# Altium PCB TinyHawk_PCB.PcbDoc (part 3 of 6) (continued)
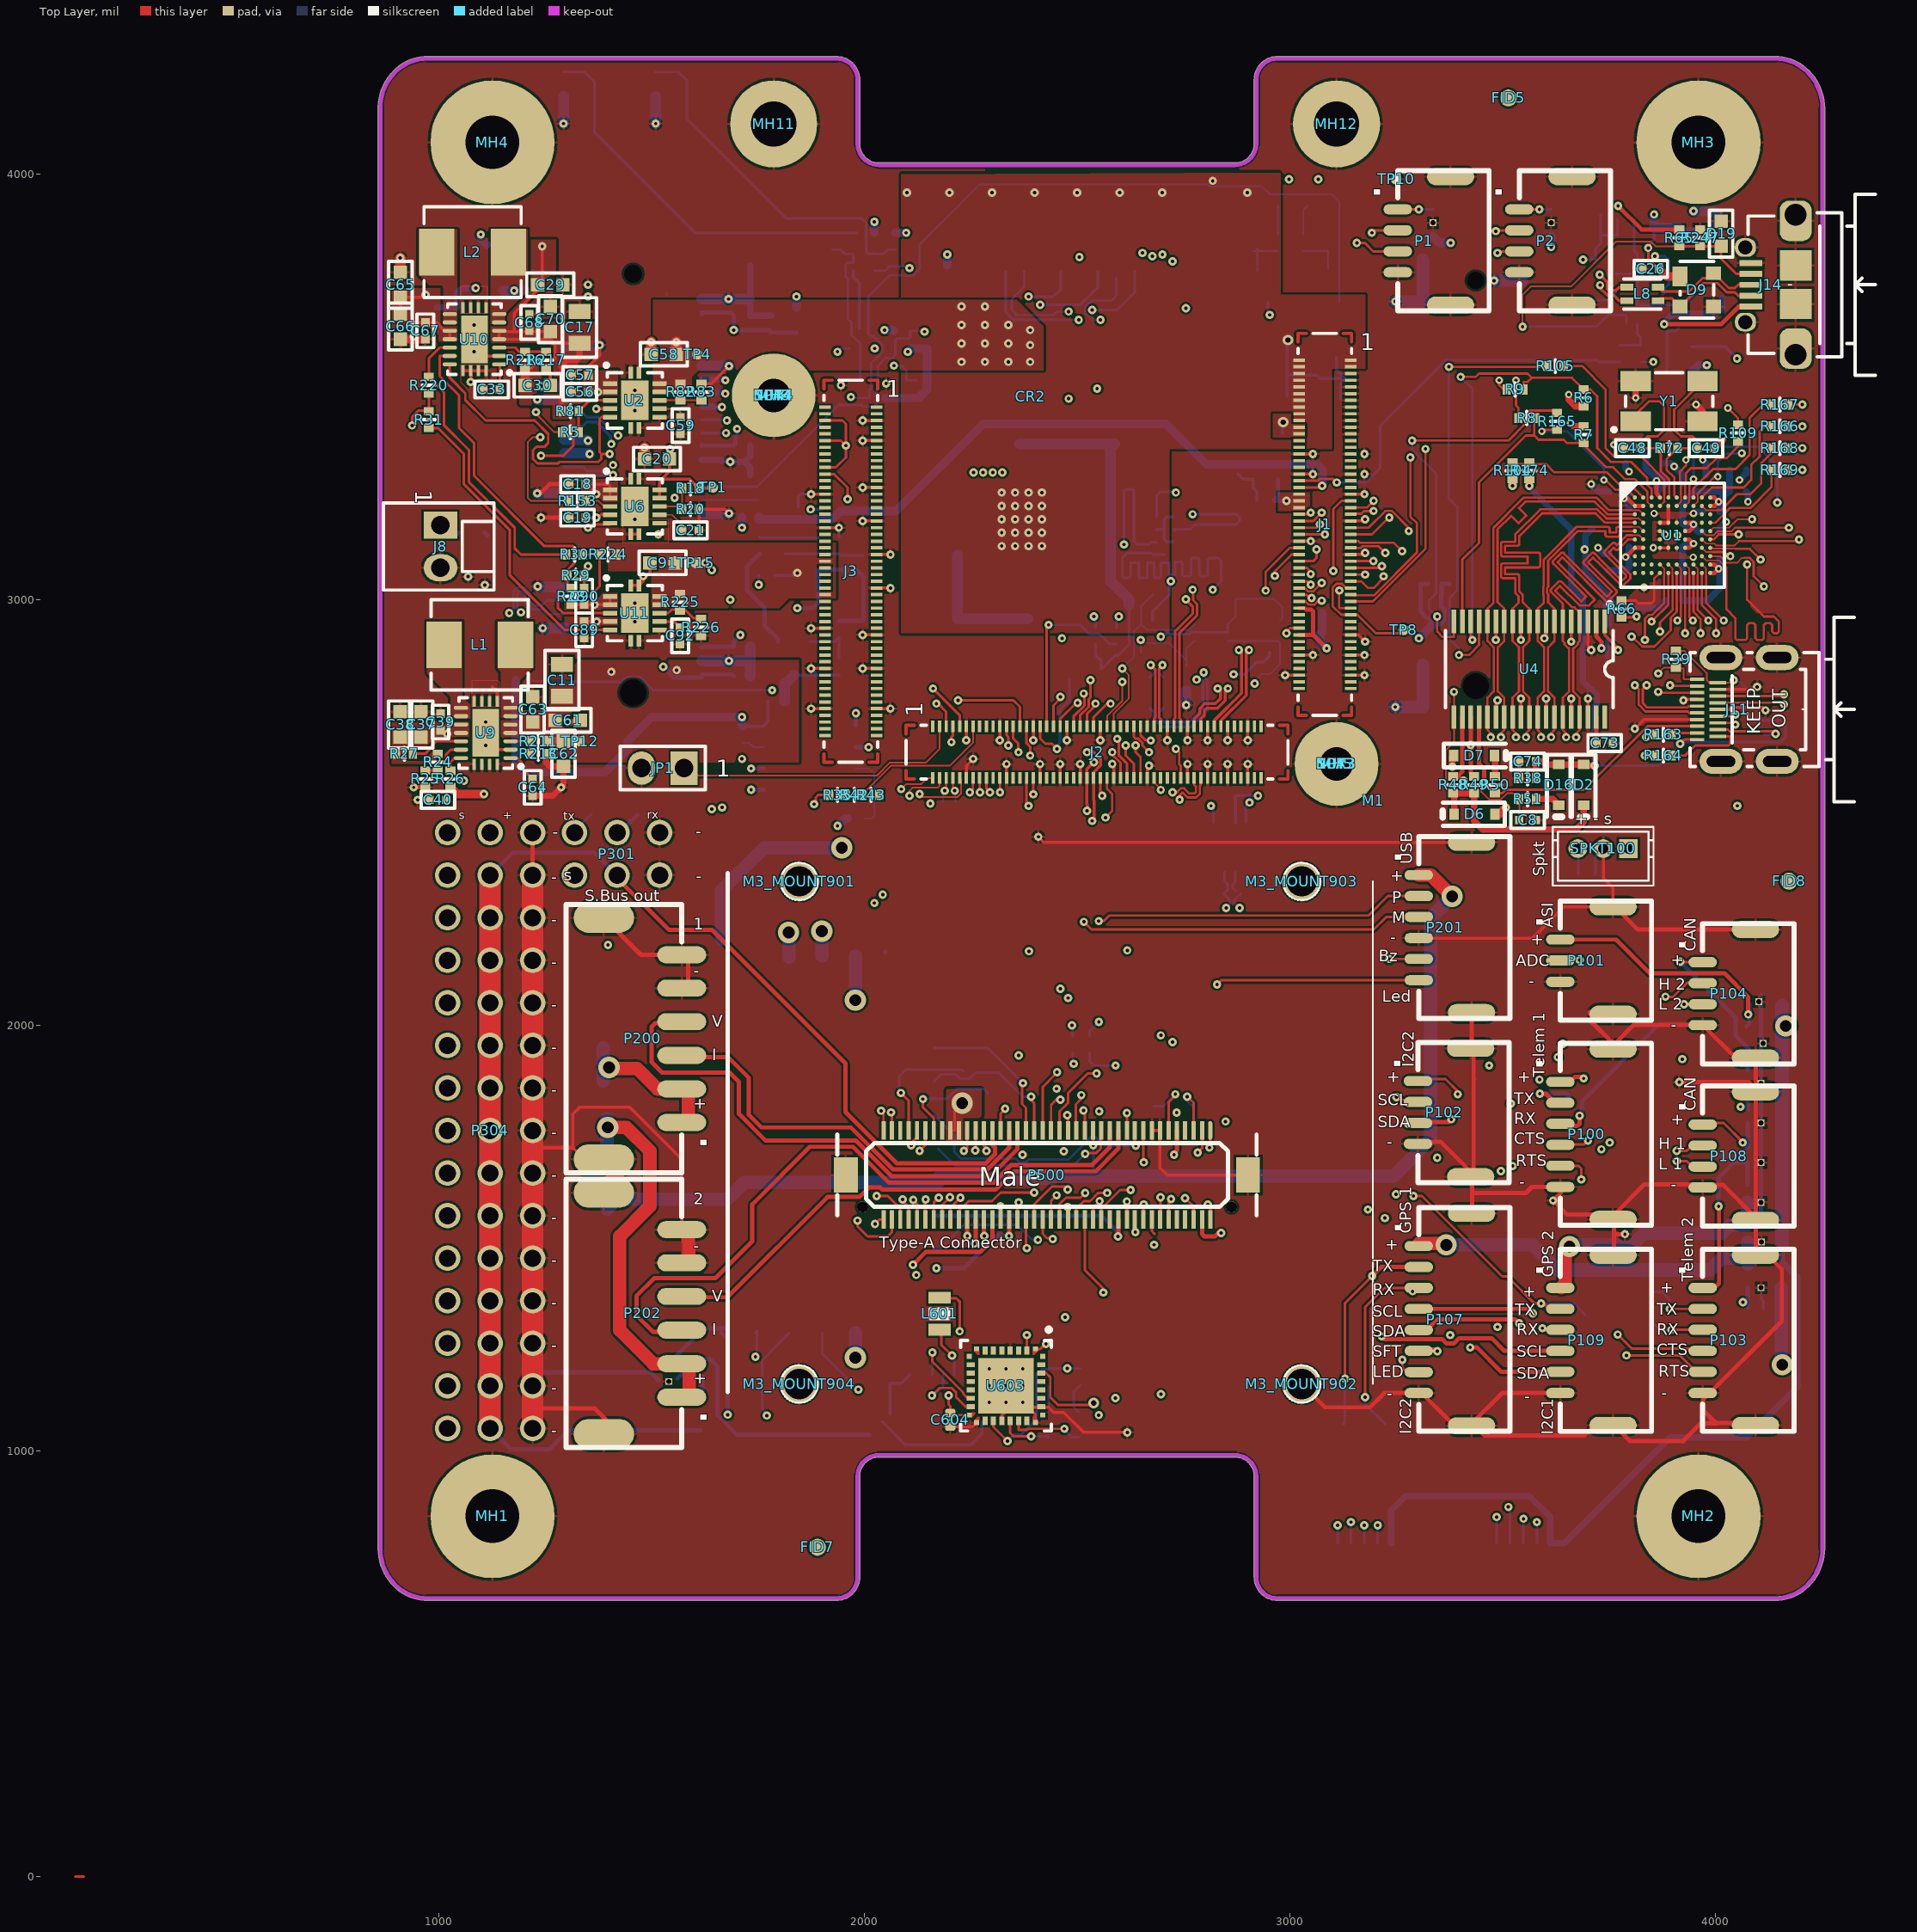
[diagram p0: Top Layer view]
## Nets (pads, with @x,y where several pads share a name; then routed paths per layer and width w, separated by ;. In a path a pad name is that pad's centre, name@x,y a point inside that pad or via, vN(x,y) a via of type N, cw(c..) or ccw(c..) an arc to the next point about the centre after c; other vN are vias at no path point) (continued)
  Signal Layer 2 w5.4: v1(3555.15,2677.17) 3548.01,2684.31 3548.01,2736.22 3578.74,2766.95 3578.74,2783.46 3590.55,2795.28 3675.68,2795.28 3687.7,2783.26 3707.23,2783.26 3716.95,2773.54 3812.97,2773.54 v1(3838.65,2799.21)
HDMI_IN_D1_N: J11.8 U1.E2 U4.9 U4.30 | length 1612.2
  Top Layer w3.94: 3805.12,3171.26 3820.87,3171.26 U1.E2@3830.71,3161.42
  Top Layer w5.4: v1(3590.52,2677.17) 3590.52,2686.31 3582.68,2694.15 U4.30@3582.68,2724.41 3582.68,2770.01 3597.66,2785 3597.66,2888.23 3591.99,2893.9 3582.88,2903.01 3582.68,2903.22 U4.9@3582.68,2948.82 3582.68,2979.08 3596.9,2993.3 3596.9,3010.3 3595.7,3011.51 3595.7,3031.8 3596.9,3033 3596.9,3066.93 3596.9,3094.45 3673.71,3171.26 3746.76,3171.26 cw(c3746.76,3166.34) 3751.68,3166.34 3751.68,3158.12 3767.24,3158.12 3767.24,3166.34 cw(c3772.16,3166.34) 3772.16,3171.26 3805.12,3171.26 ; J11.8@4005.91,2757.87 4157.45,2757.87 v1(4161.42,2753.91)
  Signal Layer 2 w5.4: v1(3590.52,2677.17) 3597.66,2670.02 3597.66,2657.52 3609.52,2645.67 3678.23,2645.67 3741.93,2709.37 3742.35,2709.37 3769.2,2736.22 3937.01,2736.22 3961.84,2761.05 3987.68,2761.05 ccw(c3987.68,2765.75) 3992.38,2765.75 3992.38,2797.38 4008.38,2797.38 4008.38,2758.35 ccw(c4013.08,2758.35) 4013.08,2753.65 4038.48,2753.65 ccw(c4038.48,2758.35) 4043.18,2758.35 4043.18,2761.05 4154.27,2761.05 v1(4161.42,2753.91)
HDMI_IN_D1_P: J11.6 U1.E1 U4.7 U4.32 | length 1576.2
  Top Layer w5.4: v1(3614.2,2677.17) 3614.2,2686.31 3622.05,2694.15 U4.32@3622.05,2724.41 3622.05,2770.01 3607.06,2785 3607.06,2888.23 3622.05,2903.22 U4.7@3622.05,2948.82 3622.05,2979.08 3607.48,2993.64 3607.48,3013.01 3605.1,3015.4 3605.1,3027.91 3607.48,3030.29 3607.48,3091.74 3677.17,3161.42 3741.84,3161.42 3741.84,3153.2 ccw(c3746.76,3153.2) 3746.76,3148.28 3772.16,3148.28 ccw(c3772.16,3153.2) 3777.08,3153.2 3777.08,3161.42 U1.E1@3811.02,3161.42 ; J11.6@4005.91,2773.62 4157.45,2773.62 v1(4161.42,2777.59)
  Signal Layer 2 w5.4: v1(3614.2,2677.17) 3607.06,2670.02 3607.06,2661.42 3613.41,2655.07 3674.75,2655.07 3765.31,2745.62 3933.11,2745.62 3959.15,2771.65 3981.96,2771.65 3981.96,2812.67 3985.9,2816.61 4014.1,2816.61 4017.78,2812.93 4017.78,2763.05 4033.78,2763.05 4033.78,2765.75 cw(c4038.48,2765.75) 4038.48,2770.45 4047.24,2770.45 4094.49,2770.45 4154.27,2770.45 v1(4161.42,2777.59)
HDMI_IN_D2_N: J11.5 U1.F2 U4.6 U4.33 | length 1610.5
  Top Layer w3.94: 3805.12,3151.57 3820.87,3151.57 U1.F2@3830.71,3141.73
  Top Layer w5.4: 3619.25,3084.97 3672.24,3031.99 3696.6,3007.63 3685.04,2996.06 3637.86,3043.24 3632.31,3043.24 3613.5,3024.43 3613.5,3018.88 3641.73,2990.64 U4.6@3641.73,2948.82 3641.73,2903.22 3645.87,2899.08 3645.87,2895.13 3654.97,2886.03 3656.72,2886.03 3656.72,2785 3641.73,2770.01 U4.33@3641.73,2724.41 3641.73,2694.15 3649.57,2686.31 v1(3649.57,2677.17) ; 3619.25,3084.98 cw(c3622.57,3088.3) 3619.25,3091.62 ; 3619.25,3091.63 3637.21,3109.58 cw(c3640.53,3106.26) 3643.85,3109.59 3745.97,3007.48 3757.28,3018.79 3691.57,3084.5 cw(c3694.89,3087.83) 3691.56,3091.15 3709.52,3109.11 ; 3709.53,3109.12 cw(c3712.85,3105.79) 3716.17,3109.12 3736.09,3089.2 3779.53,3045.76 3782.06,3045.76 3791,3054.7 3791,3056.91 3747.41,3100.5 3740.11,3107.8 cw(c3743.43,3111.13) 3740.1,3114.45 3758.06,3132.41 cw(c3761.39,3129.09) 3764.71,3132.42 3768.69,3128.44 3791.82,3151.57 3805.12,3151.57 ; v1(3866.14,2783.46) 3868.11,2781.5 J11.5@3957.68,2781.5
  Signal Layer 2 w5.4: v1(3649.57,2677.17) 3656.72,2684.31 3656.72,2708.62 3674.03,2725.94 3686.57,2725.94 3725.77,2765.14 3862.8,2765.14 3866.14,2768.48 v1(3866.14,2783.46)
HDMI_IN_D2_P: J11.3 U1.F1 U4.4 U4.35 | length 1605.3
  Top Layer w5.4: v1(3673.26,2677.17) 3673.26,2686.31 3681.1,2694.15 U4.35@3681.1,2724.41 3681.1,2770.01 3666.12,2785 3666.12,2886.03 3667.85,2886.03 3676.95,2895.13 3676.95,2899.07 3681.1,2903.22 U4.4@3681.1,2948.82 3681.1,2970.27 3669.29,2982.08 3663.59,2982.08 3624.02,3021.65 3635.09,3032.72 3681.15,2986.66 3703.2,2986.66 3717.03,3000.49 3677.17,3040.36 3629.22,3088.3 3640.53,3099.61 3742.64,2997.51 ccw(c3745.97,3000.83) 3749.29,2997.5 3767.25,3015.46 ccw(c3763.93,3018.79) 3768.63,3018.79 ccw(c3763.93,3018.79) 3767.25,3022.11 3701.53,3087.83 3712.85,3099.14 3729.44,3082.55 3777.97,3034.02 3784.43,3034.02 3800.4,3049.99 3800.4,3060.01 3754.05,3107.15 3750.08,3111.13 3761.39,3122.44 3765.36,3118.47 ccw(c3768.69,3121.79) 3772.01,3118.46 3795.28,3141.73 U1.F1@3811.02,3141.73 ; v1(3893.76,2799.21) 3895.73,2797.24 J11.3@3957.68,2797.24
  Signal Layer 2 w5.4: v1(3673.26,2677.17) 3666.12,2684.31 3666.12,2704.72 3677.93,2716.54 3690.46,2716.54 3729.66,2755.74 3881.72,2755.74 3884.65,2758.67 3884.65,2790.1 v1(3893.76,2799.21)
HDMI_IN_ESD_BYP: C73.1 U4.37 | length 61
  Top Layer w10: C73.1@3720.47,2663.39 U4.37@3720.47,2724.41
HDMI_IN_HPD: R13.1 R165.1 U4.19 | length 956.2
  Top Layer w5.4: v1(3287.4,3374.02) 3513.97,3374.02 3552.94,3412.99 3552.94,3433.05 3564.57,3444.68 3627.95,3444.68 R165.1@3627.95,3438.98 ; v1(3346.46,2960.63) 3346.46,2925.2 3359.26,2912.39 3385.83,2912.39 U4.19@3385.83,2948.82
  Bottom Layer w5.4: v1(3287.4,3374.02) 3287.4,3352.69 3344.28,3295.81 3344.28,3015.54 R13.1@3326.77,2998.03 3326.77,2980.32 v1(3346.46,2960.63)
HDMI_IN_HPD_CON: C8.1 J11.1 R39.2 R51.1 U4.20 | length 1131
  Top Layer w4: v1(3385.83,2783.46) U4.20@3385.83,2724.41 3385.83,2666.19 3367.05,2647.41 3367.05,2572.73 3379.66,2560.12 3446.95,2560.12 3449.88,2557.19 3449.88,2548.95 3468.4,2530.43 3496.17,2530.43 3511.04,2545.31 3525.56,2545.31 R51.1@3539.37,2531.5 C8.1@3539.37,2482.28 ; v1(3866.14,2826.77) 3879.92,2840.55 R39.2@3907.48,2840.55 3909.45,2838.58 3925.2,2838.58 3925.2,2814.96 3927.17,2812.99 J11.1@3957.68,2812.99
  Signal Layer 2 w4: v1(3385.83,2783.46) 3400.56,2783.46 3422.29,2761.73 3451.71,2761.73 3509.16,2819.18 3712.62,2819.18 3734.35,2797.44 3788.26,2797.44 3804.88,2814.06 3853.43,2814.06 v1(3866.14,2826.77)
HDMI_IN_RXA_5V: R104.2 R174.2 U1.A2 | length 341.3
  Top Layer w5.4: R104.2@3523.62,3322.83 3527.56,3318.9 3602.36,3318.9 3621.85,3299.41 3730.57,3299.41 3745.61,3299.41 3773.96,3271.06 3799.8,3271.06 U1.A2@3830.71,3240.16
HDMI_IN_SCL_CON: J11.17 R163.1 | length 61.7
  Top Layer w6: R163.1@3897.64,2683.07 3901.57,2687.01 J11.17@3957.68,2687.01
HDMI_IN_SCL_CON_R: R49.1 R163.2 U4.22 | length 642.6
  Top Layer w10: U4.22@3425.2,2724.41 v1(3425.2,2658.46) 3425.2,2592.52 R49.1@3433.07,2584.65 ; v1(3837.46,2677.26) 3837.55,2677.17 3838.58,2677.17 3844.49,2683.07 R163.2@3858.27,2683.07
  Signal Layer 2 w10: v1(3425.2,2658.46) 3443.79,2658.46 3511.71,2590.55 3671.62,2590.55 3756.14,2675.07 3835.27,2675.07 v1(3837.46,2677.26)
HDMI_IN_SDA_CON: J11.18 R164.1 | length 195.3
  Top Layer w6: R164.1@3897.64,2633.86 3929.13,2633.86 3952.76,2657.48 4031.5,2657.48 4035.43,2661.42 4035.43,2677.17 4033.46,2679.13 J11.18@4005.91,2679.13
HDMI_IN_SDA_CON_R: R48.1 R164.2 U4.21 | length 660.7
  Top Layer w10: R48.1@3383.86,2584.65 R48.1@3393.98,2584.65 ; U4.21@3405.51,2724.41 3405.51,2596.17 R48.1@3393.98,2584.65 ; v1(3408.42,2574.96) 3408.26,2574.8 3405.51,2574.8 3395.67,2584.65 R48.1@3393.98,2584.65 ; v1(3834.65,2633.86) R164.2@3858.27,2633.86
  Signal Layer 2 w10: v1(3408.42,2574.96) 3424.32,2559.06 3759.84,2559.06 v1(3834.65,2633.86)
HDMI_IN_XTALN: C48.1 R72.1 U1.A5 Y1.1 | length 408.1
  Top Layer w5.4: Y1.1@3812.99,3419.29 3812.99,3435.04 3844.49,3466.54 3868.11,3466.54 3879.92,3454.72 3879.92,3399.61 3864.17,3383.86 3840.55,3383.86 3824.8,3368.11 C48.1@3824.8,3356.3 R72.1@3872.05,3356.3 3872.05,3302.14 3891.73,3282.45 3891.73,3242.13 U1.A5@3889.76,3240.16
HDMI_IN_XTALP: C49.1 R72.2 U1.A6 Y1.3 | length 408.1
  Top Layer w5.4: U1.A6@3909.45,3240.16 3903.94,3245.67 3903.94,3287.27 3885.63,3305.57 3885.63,3330.51 R72.2@3911.42,3356.3 C49.1@3958.66,3356.3 3958.66,3372.05 3946.85,3383.86 3919.29,3383.86 3903.54,3399.61 3903.54,3446.85 Y1.3@3970.47,3513.78
I2C1_SCL: J2.26
I2C1_SDA: J2.28
I2C2_DDC_SCL: R6.1 R9.2 U1.A3 U4.17 | length 1379.8
  Top Layer w5.4: v1(3401.57,3523.62) 3437.01,3523.62 3444.88,3531.5 3559.06,3531.5 3568.9,3521.65 ; U4.17@3425.2,2948.82 3425.2,2909.45 v1(3429.13,2905.51) ; R9.2@3549.21,3494.09 3549.21,3509.84 3551.18,3511.81 3559.06,3511.81 3568.9,3521.65 ; U1.A3@3850.39,3240.16 3850.39,3259.65 3840.55,3269.49 3840.55,3285.43 3802.17,3323.82 3754.92,3323.82 3722.44,3356.3 3722.44,3478.35 3706.69,3494.09 R6.1@3690.94,3494.09 3663.39,3521.65 3568.9,3521.65
  Bottom Layer w5.4: v1(3401.57,3523.62) 3429.13,3496.06 v1(3429.13,2905.51)
I2C2_DDC_SDA: R7.1 R8.2 U1.B3 U4.18 | length 918
  Top Layer w3.94: 3840.55,3246.06 3840.55,3230.31 U1.B3@3850.39,3220.47
  Top Layer w5.4: U4.18@3405.51,2948.82 3405.51,3094.49 3444.88,3133.86 3444.88,3275.59 3555.32,3386.02 3574.61,3386.02 ; R8.2@3574.61,3425 3574.61,3386.02 ; 3840.55,3246.06 3840.55,3253.94 3811.22,3283.27 3788.51,3283.27 3760.17,3311.61 3743.5,3311.61 3690.94,3364.17 R7.1@3690.94,3368.11 3651.57,3368.11 3643.7,3375.98 3584.65,3375.98 3574.61,3386.02
I2C2_SCL: J2.48 J13.30 R9.1 | length 3845.1
  Top Layer w5.4: v2(3492.13,3515.75) 3492.13,3503.94 3505.91,3490.16 R9.1@3509.84,3494.09
  Top Layer w7: v1(2523.62,2503.94) 2523.62,2519.68 2523.23,2520.08 J2.48@2523.23,2581.1 2523.23,2601.97 v1(2539.37,2618.11)
  Signal Layer 2 w6: v1(2547.24,3496.06) 2552.41,3501.23 3350.41,3501.23 3388.64,3539.46 3436.91,3539.46 3460.63,3515.75 v2(3492.13,3515.75)
  Signal Layer 2 w7: v1(1665.72,2511.81) 1674.19,2503.34 2134.46,2503.34 2145.67,2492.13 2488.19,2492.13 2496.06,2500 2523.62,2500 v1(2523.62,2503.94)
  Signal Layer 1 w6: v1(2539.37,2618.11) 2539.46,2618.2 2539.46,2648.29 2538.88,2648.87 2538.88,2723.92 2559.14,2744.18 2559.14,2892.76 2555.21,2896.7 2555.21,2972.24 2555.12,2972.33 2555.12,3488.19 v1(2547.24,3496.06)
  Signal Layer 1 w7: v1(1665.72,2511.81) 1665.54,2511.99 1665.54,3049.54 1675.95,3059.95 1675.95,3185.57 1665.54,3195.98 1665.54,3382.08 v1(1675.19,3391.73)
  Bottom Layer w7: J13.30@1618.11,3391.73 v1(1675.19,3391.73)
I2C2_SDA: J2.50 J13.32 R8.1 | length 4113.8
  Top Layer w5.4: v2(3531.49,3515.74) 3531.49,3456.69 3537.4,3450.78 R8.1@3537.4,3427.17 R8.1@3541.34,3427.17
  Top Layer w7: v1(2523.62,2641.73) 2538.86,2641.73 2555.71,2624.88 2555.71,2611.34 2538.98,2594.6 J2.50@2538.98,2581.1 2538.98,2528.55 2539.96,2527.56 2539.96,2484.85 v1(2535.43,2480.32)
  Signal Layer 2 w6: v1(2480.32,3472.44) 2484.35,3476.47 2925.34,3476.47 2934.29,3485.43 3396.32,3485.43 3408.13,3497.24 3512.99,3497.24 v2(3531.49,3515.74)
  Signal Layer 2 w7: v1(1641.73,2507.87) 1663.06,2486.54 2127.5,2486.54 2138.71,2475.33 2530.44,2475.33 v1(2535.43,2480.32)
  Signal Layer 1 w6: v1(2480.32,3472.44) 2484.25,3468.5 2484.25,2785.9 2485.37,2784.78 2485.37,2758.75 2482.53,2755.91
  Signal Layer 1 w7: v1(1641.73,2507.87) 1642.33,2508.47 1642.33,3040.47 1665.95,3064.09 1665.95,3077.63 1655.54,3088.04 1655.54,3399.63 v1(1677.17,3421.26) ; 2482.53,2755.91 2482.53,2749.14 2523.62,2708.05 v1(2523.62,2641.73)
  Bottom Layer w7: J13.32@1618.11,3423.23 1675.2,3423.23 v1(1677.17,3421.26)
I2C3_SCL: J2.54 U1.B8 | length 2714.9
  Top Layer w3.94: U1.B8@3948.82,3220.47 3958.66,3230.31 3958.66,3246.06
  Top Layer w5.4: v1(2566.93,2488.19) 2582.68,2503.94 2582.68,2542.91 2570.47,2555.12 J2.54@2570.47,2581.1 ; 3958.66,3246.06 3958.66,3250 3998.03,3289.37 v2(4005.91,3289.37)
  Signal Layer 2 w5.4: v1(2566.93,2488.19) 2589.43,2488.19 2614.7,2462.92 3999.12,2462.92 v1(4051.95,2515.75)
  Signal Layer 1 w5.4: v1(4051.95,2515.75) 4069.28,2533.08 4069.28,2864.56 4130.13,2925.4 4130.13,3234.78 4137.8,3242.45 4137.8,3268.7 v1(4062.34,3344.16)
  Bottom Layer w5.4: v2(4005.91,3289.37) 4005.91,3323.82 4025.59,3343.5 4062.99,3343.5 v1(4062.34,3344.16)
I2C3_SDA: J2.52 U1.B7 | length 2890.4
  Top Layer w3.94: U1.B7@3929.13,3220.47 3938.98,3230.31 3938.98,3246.06
  Top Layer w5.4: J2.52@2554.72,2581.1 2554.72,2543.69 v1(2559.05,2539.36) ; 3938.98,3246.06 3938.98,3269.69 3948.81,3279.52 v2(3948.81,3283.46)
  Signal Layer 2 w5.4: v1(2559.05,2539.36) 2615.06,2539.36 2644.7,2509.72 2745.02,2509.72 2791.34,2556.04 3057.39,2556.04 3077.45,2535.97 4181.64,2535.97 4220.47,2574.8 4220.47,3173.23 4165.35,3228.35 v1(4145.67,3228.35)
  Bottom Layer w5.4: v2(3948.81,3283.46) 3948.81,3334.65 3973.86,3359.7 4098.96,3359.7 4145.67,3312.99 v1(4145.67,3228.35)
I2C_1_SCL: P107.4 P500.37 | length 2062.2
  Top Layer w5.91: P500.37@2459,1753 2459,1797.83 2478.8,1817.63 2478.8,1841 2524.8,1887 v1(2546,1887)
  Top Layer w10: P107.4@3303.15,1333.66 3560.34,1333.66 v1(3571,1323)
  Signal Layer 2 w5.91: v1(2546,1887) 3407.82,1887 3408.66,1886.15 3423.37,1886.15 3428.17,1890.95 3443.97,1890.95 3447.92,1887 3557.68,1887 ; 3557.93,1887.25 3572.79,1887.25 3586.79,1873.25 v1(3586.79,1872.25)
  Signal Layer 1 w5.91: v1@3569.99,1323 3569.99,1855.46 v1(3586.79,1872.25)
I2C_1_SDA: P107.5 P500.35 | length 1917.6
  Top Layer w5.91: v1(2477,1789) 2479,1791 P500.35@2479,1753
  Top Layer w10: P107.5@3303.15,1284.06 3322.06,1284.06 3347.18,1309.18 3529.82,1309.18 v1(3539,1300)
  Signal Layer 2 w5.91: v1(2477,1789) 2505.8,1817.8 2557.37,1817.8 2562.17,1813 2605,1813 2647.29,1855.29 3313.38,1855.29 3355.68,1813 v1@3519.68,1813
  Signal Layer 1 w5.91: v1@3523.68,1816 3552.28,1787.4 3552.79,1787.4 3552.79,1312 3551,1312 v1(3539,1300)
  other v1: 3519.68,1816
I2C_2_SCL: P102.2 P109.4 P500.6 | length 1897.9
  Top Layer w5.91: v1@2753,1595 v1(2754,1594) 2774,1574 P500.6@2774,1543.67 ; v1(3250.68,1831) 3250.68,1826 3252.07,1824.61 P102.2@3308.11,1824.61
  Top Layer w10: v1(3216,1269) 3222.94,1262.06 3358.88,1262.06 3368.78,1252.16 3385.22,1252.16 3397.9,1264.84 3474.22,1264.84 3504.22,1234.84 P109.4@3635.83,1234.84
  Signal Layer 2 w5.91: v1(2734,1795) 2786,1795 2822,1831 v1(3250.68,1831)
  Signal Layer 1 w5.91: v1(2734,1795) 2734,1796 2754,1776 v1(2754,1594) ; v1(3216,1269) 3219.98,1272.98 3219.98,1518.13 3241.47,1539.63 3241.47,1555.2 3228.58,1568.09 3228.58,1592.33 3228.68,1592.42 3228.68,1664 3251.68,1687 v1@3251.68,1831
I2C_2_SDA: P102.3 P109.5 P500.4 | length 1749.7
  Top Layer w10: P500.4@2794,1543.67 2794,1509.15 2799.21,1503.94 2823.94,1503.94 2831.81,1511.81 v1(2838.58,1511.81) ; P102.3@3308.11,1775 3310.11,1773 3374.68,1773 3374.68,1774 v1(3379.68,1779) ; v1(3424,1243) 3439.94,1243 3497.1,1185.84 P109.5@3635.83,1185.84
  Signal Layer 2 w10: v1(2849,1774) 2849,1775 2853,1779 v1(3379.68,1779)
  Signal Layer 1 w5.91: v1(3379.68,1779) 3379.68,1518.6 3400.63,1497.65 3400.63,1293.05 3424,1269.68 v1(3424,1243)
  Signal Layer 1 w10: v1(2838.58,1511.81) 2840.84,1514.07 2840.84,1765.84 v1(2849,1774)
I\O\-\L\E\D\_\S\A\F\E\T\_\P\R\O\T\: P107.7 P500.28 | length 1215.3
  Top Layer w5.91: P500.28@2557,1543.67 2557,1568.66 2601.34,1613 v1(2626,1613) ; v1@3264.47,1206.2 3264.47,1196.2 3272.68,1188 3275.68,1191 P107.7@3304.16,1191
  Signal Layer 2 w5.91: v1(2626,1613) 2625,1613 2624,1614 2798.41,1614 2802.11,1617.7 3234.98,1617.7 v1(3249.68,1603)
  Signal Layer 1 w5.91: v1(3249.68,1603) 3252.38,1600.3 3252.38,1520.51 3230.88,1499.01 3230.88,1387.2 3231.26,1386.83 3231.26,1278.91 3264.47,1245.69 v1(3264.47,1214)
IO-!RESET: P500.75
IO-CH1-PROT: P304.7 P500.80 | length 1128.8
  Top Layer w5.91: v1(2025,1533) 2035.67,1543.67 P500.80@2045.14,1543.67
  Signal Layer 2 w10: P304.7@1019.63,1652 1067.63,1700 1242.87,1700 1376.87,1566 1930.94,1566 1975.78,1521.16 2013.16,1521.16 v1(2025,1533)
IO-CH2-PROT: P304.8 P500.78 | length 1279.6
  Top Layer w5.91: v1@1980,1541 v1(1984,1541) 1984,1527.81 2007.87,1503.94 2055.12,1503.94 2064.83,1513.65 P500.78@2064.83,1543.67
  Signal Layer 2 w10: P304.8@1019.63,1752 1067.63,1800 1242.87,1800 1261,1781.87 1261,1703.08 1383.08,1581 1944,1581 v1(1984,1541)
IO-CH3-PROT: P304.9 P500.76 | length 1337.6
  Top Layer w5.91: v1(2029,1599) 2055,1599 2084.51,1569.49 P500.76@2084.51,1543.67
  Signal Layer 2 w10: P304.9@1019.63,1852 1067.63,1900 1245.67,1900 1275,1870.67 1275,1789.08 1279.25,1784.83 1279.25,1712.6 1392.85,1599 v1(2029,1599)
IO-CH4-PROT: P304.10 P500.74 | length 1447.2
  Top Layer w5.91: v1@2089,1589 2104.2,1573.8 P500.74@2104.2,1543.67
  Signal Layer 2 w10: P304.10@1019.63,1952 1071.57,2003.94 1232.63,2003.94 1290,1946.56 1290,1832.28 1294.25,1828.03 1294.25,1722.44 1402.69,1614 2015.94,1614 2020.78,1618.84 2037.22,1618.84 2067.06,1589 v1@2089,1589
  other v1: 2090,1591
IO-CH5-PROT: P304.11 P500.72 | length 1567.3
  Top Layer w5.91: v1(2115,1590) 2124,1580.95 P500.72@2123.88,1543.67
  Signal Layer 2 w10: P304.11@1019.63,2052 1067.63,2100 1250,2100 1262,2088 1262,2004.93 1305,1961.93 1305,1838.49 1309.25,1834.24 1309.25,1729.82 1410.07,1629 2009.73,1629 2014.57,1633.84 2043.43,1633.84 2061.27,1616 2096.88,1616 2115,1597.88 v1(2115,1590)
IO-CH6-PROT: P304.12 P500.70 | length 1692.4
  Top Layer w5.91: v1@2142.2,1590 2142.2,1545.03 P500.70@2143.57,1543.67
  Signal Layer 2 w10: P304.12@1019.63,2152 1067.43,2199.8 1247.05,2199.8 1273.9,2172.95 1273.9,2097.32 1277,2094.21 1277,2011.15 1320,1968.15 1320,1844.71 1324.25,1840.46 1324.25,1736.03 1416.28,1644 2003.51,1644 2008.35,1648.84 2049.65,1648.84 2067.49,1631 2136,1631 2144,1623 v1(2144,1591)
IO-CH7-PROT: P304.13 P500.68 | length 1812.9
  Top Layer w5.91: P500.68@2163.25,1543.67 2163.25,1583.25 v1(2175,1595) v1@2175,1596.75
  Signal Layer 2 w10: P304.13@1019.63,2252 1067.63,2300 1246.26,2300 1275.59,2270.67 1275.59,2194.34 1288.9,2181.04 1288.9,2103.53 1292,2100.43 1292,2017.36 1335,1974.36 1335,1850.92 1339.25,1846.67 1339.25,1742.25 1422.5,1659 1997.3,1659 2002.14,1663.84 2055.86,1663.84 2073.7,1646 2143.57,1646 2175,1614.57 v1(2175,1595)
IO-CH8-PROT: P304.14 P500.66 | length 1926.4
  Top Layer w5.91: P500.66@2182.94,1543.67 2182.94,1577.94 v1(2201,1596)
  Signal Layer 2 w10: P304.14@1019.63,2352 1067.63,2400 1248.62,2400 1269,2379.62 1269,2315 1303.9,2280.1 1303.9,2109.74 1307,2106.64 1307,2023.57 1350,1980.57 1350,1857.13 1357.47,1849.66 1357.47,1745.24 1428.71,1674 1991.09,1674 1995.93,1678.84 2062.07,1678.84 2079.91,1661 2149.79,1661 2202,1608.79 v1@2202,1596
IO-SWCLK: P105.5 P500.71 | length 2516.8
  Top Layer w6: v1(2110.24,1718.16) 2110.24,1723.55 2123.88,1737.2 P500.71@2123.88,1753
  Signal Layer 2 w6: v1(2110.24,1718.16) 2110.24,1702 2123.36,1688.88 2169.39,1688.88 2228.35,1629.92 2551.18,1629.92 2551.28,1630.02 3319.46,1630.02 3319.54,1630.09 3351.58,1630.09 3370.63,1649.14 3487.72,1649.14 v1(3496.06,1657.48)
  Signal Layer 1 w6: v1(3112.2,824.8) 3112.2,879.92 3385.83,1153.54 3385.83,1182.42 3439.84,1236.44 3439.84,1601.26 v1(3496.06,1657.48)
  Bottom Layer w6: P105.5@3112.2,783.46 v1(3112.2,824.8)
IO-SWDIO: P105.4 P500.69 | length 2531.4
  Top Layer w6: v1(2129.92,1704.72) 2143.57,1718.37 P500.69@2143.57,1753
  Signal Layer 2 w6: v1(2129.92,1704.72) 2165.92,1704.72 2230.55,1640.09 3348.86,1640.09 3382.08,1673.32 3506.62,1673.32 ; 3506.62,1669.33 3506.66,1669.29 v1(3523.61,1669.29)
  Signal Layer 1 w6: v1(3143.7,832.68) 3143.7,887.8 3417.32,1161.42 3417.32,1189.36 3448.84,1220.88 3448.84,1586.64 3523.61,1661.41 v1(3523.61,1669.29)
  Bottom Layer w6: P105.4@3143.7,783.46 v1(3143.7,832.68)
IO-USART1_RX_SPECTRUM_DSM: JP100.1 P105.3 P500.48 SPKT100.1 | length 3879.5
  Top Layer w5.91: P500.48@2360.1,1543.67 2360.1,1581.1 v1(2363,1584)
  Signal Layer 2 w10: v1(2363,1929) 3390.92,1929 3416.02,1903.91 3420.82,1908.71 3451.32,1908.71 3455.28,1904.75 3550.32,1904.75 3550.58,1905 3580.14,1905 3581.24,1903.91 3814.69,1903.91 ; 3814.69,1904.16 3831.79,1921.25 v1@3922.46,1921.25
  Signal Layer 1 w5.91: v1(2363,1584) 2363,1586.13 2377.8,1600.93 2377.8,1661.21 2400.7,1684.11 2400.7,1707.89 2360.2,1748.38 2360.2,1851.63 2355.2,1856.63 2355.2,1871.37 2366,1882.17 v1@2366,1932 ; v1(3175.2,824.8) 3175.2,879.92 3448.82,1153.54 3448.82,1208.19 3457.8,1217.17 3457.8,1581.13 3539.41,1662.75 3539.41,1679.78 3468.5,1750.68 v1(3468.5,1905.51)
  Signal Layer 1 w10: SPKT100.1@3795.84,2415.25 3813.79,2415.25 3860.79,2368.25 3860.79,1965.25 3905.59,1920.45 v1(3922.46,1920.45)
  Bottom Layer w5.91: P105.3@3175.2,783.46 v1(3175.2,824.8)
IO-USART1_TX: P105.2 P500.46 | length 1878.6
  Top Layer w5.91: P500.46@2380.8,1544.68 P500.46@2379.79,1543.67 2379.79,1478.48 v1(2381.89,1476.38)
  Signal Layer 2 w5.91: v1(2381.89,1476.38) 2437.01,1421.26 3108.29,1421.26 3238.21,1291.34 v1(3488.19,1291.34)
  Signal Layer 1 w5.91: v1(3206.69,824.8) 3204.72,826.77 3204.72,874.02 3480.32,1149.61 3480.32,1271.65 3488.19,1279.53 v1(3488.19,1291.34)
  Bottom Layer w5.91: P105.2@3206.69,783.46 v1(3206.69,824.8)
L1_3V3: L2.1 U10.8 U10.9 | length 35.5
  Top Layer w6: L2.1@1000.49,3818.9 L2.1@1025.59,3793.8
L1_5V: L1.1 U9.8 U9.9
L2_3V3: L2.2 U10.6 U10.7 | length 11.1
  Top Layer w6: L2.2@1163.39,3816.93 1163.39,3813.48 L2.2@1168.8,3818.9
L2_5V: L1.2 U9.6 U9.7 | length 17
  Top Layer w6: L1.2@1168.31,2882.04 L1.2@1180.3,2894.02
MPCIE_WDISN_R: J13.20 R10.1 R22.1 | length 133.9
  Bottom Layer w4: J13.20@1618.11,3234.25 R22.1@1751.97,3234.25
NetC198_1: C198.1 R141.1 U21.2 | length 380.2
  Bottom Layer w5.4: R141.1@1925.2,3822.83 1944.88,3822.83 1954.72,3812.99 C198.1@1974.41,3812.99 1974.41,3792.07 1961,3792.07 1955.96,3787.03 1955.96,3760.22 1961,3755.17 1961,3659.94 1969.74,3651.2 1969.74,3622.62 1990.16,3602.2 U21.2@1990.16,3515.75
NetC200_1: C200.1 J2.10 R149.1 | length 1475.9
  Top Layer w4: v1(2129.92,2543.3) 2136.88,2536.34 2218.75,2536.34 2227.44,2545.03 2227.44,2577.68 J2.10@2224.02,2581.1
  Signal Layer 1 w4: v1(2106.3,3779.53) 2109.33,3776.5 2109.33,3600.81 2129.92,3580.22 v1(2129.92,2543.3)
  Bottom Layer w5.4: R149.1@2023.62,3773.62 2049.21,3773.62 2059.06,3783.46 C200.1@2072.83,3783.46 2102.36,3783.46 v1(2106.3,3779.53)
NetC604_P$1: C604.P$1 U603.1 U603.16 | length 404.9
  Top Layer w5.91: v1(2198,1130) 2198,1109.09 2202,1105.09 C604.P$1@2202,1088.75 2206.65,1084.1 U603.16@2246.39,1084.1 ; U603.1@2401.9,1233.71 U603.1@2401.9,1239.61 2413.61,1239.61 2426,1252 v1(2427,1251)
  Signal Layer 2 w5.91: v1(2198,1130) 2319,1251 v1(2427,1251)
NetD7_1: D7.1 R50.1 | length 49.7
  Top Layer w15: D7.1@3481.07,2633.86 3482.28,2632.65 R50.1@3482.28,2584.65
NetD16_1: D16.1 R51.2 | length 61.9
  Top Layer w15: R51.2@3578.74,2531.5 3618.11,2531.5 3627.95,2521.65 D16.1@3627.95,2513.02
NetD101_C: D101.C L101.P$2 P100.1 | length 767.2
  Top Layer w10: P100.1@3657.48,1866.14 3669.62,1878.28 3686.76,1878.28 3689.79,1875.25 v1(3690.79,1875.25)
  Signal Layer 1 w10: v1(3690.79,1875.25) 3710.63,1855.41 3710.63,1819.26 4064.78,1465.11 v1(4064.78,1349.58)
  Bottom Layer w10: D101.C@4075.78,1336.27 L101.P$2@4075.78,1383.27
NetD104_C: D104.C L103.P$2 P102.1 | length 854
  Top Layer w6: P102.1@3308.11,1873.82 3365.86,1873.82 3394.68,1845 v1(3394.68,1838)
  Signal Layer 2 w10: v1(3394.68,1838) 3545.62,1838 ; 3545.87,1838.25 3560.73,1838.25 3582.73,1816.25 4033.79,1816.25 ; 4023.62,1814.96 4051.95,1814.96 v1@4058.96,1807.95
  Bottom Layer w10: v1(4059.46,1808.45) D104.C@4074.78,1808.45 ; D104.C@4075.78,1801.45 4075.78,1848.45
NetD105_C: D105.C L104.P$2 P107.1 | length 868.8
  Top Layer w31.5: P107.1@3304.16,1487.24 3364.43,1487.24 v3(3367.68,1484)
  Bottom Layer w31.5: v3@3360.68,1485 3361.68,1484 v3(3367.68,1484) 3571.12,1484 3629.92,1425.2 3988.19,1425.2 4015.75,1452.76 4076.69,1452.76 ; D105.C@4076.69,1438.89 L104.P$2@4076.69,1490.66
NetD106_C: D106.C L105.P$2 P104.1 | length 397.9
  Top Layer w5.91: v1(3917.32,2149.61) 3918.66,2148.27 P104.1@3970.47,2148.27 ; P104.1@3970.9,2148.27 3991.65,2148.27 P104.1@3990.46,2149.45
  Bottom Layer w10: v1(3917.32,2149.61) 4047.96,2018.97 4047.96,1974.95 4080.46,1942.45 ; 4075.78,1895.45 4075.78,1942.45
NetD107_C: D107.C L107.P$2 P109.1 | length 580.9
  Top Layer w31.5: P109.1@3638.22,1383.28 3647.19,1392.25 3647.19,1470.02 v3(3657.48,1480.32)
  Bottom Layer w31.5: v3@3657.48,1484.25 3769.53,1484.25 3775.12,1478.66 3800.46,1478.66 3833.61,1511.81 4015.75,1511.81 4034.5,1530.56 D107.C@4073.78,1530.56 ; 4075.78,1548.22 L107.P$2@4075.78,1583.96
NetD108_C: D108.C L106.P$2 P108.1 | length 186.8
  Top Layer w6: P108.1@3970.9,1773.27 3973.72,1770.45 4019.46,1770.45 v1@4064.46,1725.45
  Bottom Layer w10: v1(4064.46,1724.45) 4075.78,1713.13 L106.P$2@4075.78,1770.55
NetD300_CATHODE: D300.CATHODE D301.C L300.P$1 | length 132.4
  Bottom Layer w10: L300.P$1@1540.63,1132 1606.84,1132 D300.CATHODE@1615.63,1123.21 1619.63,1127.21 D301.C@1619.63,1175.32
NetJ1_38: J1.38 R67.2 R304.2 | length 937.4
  Top Layer w6: J1.38@3021.65,3279.53 3021.65,3279.43 3065.34,3279.43 3069.46,3283.56 3102.27,3283.56 v1(3110.24,3275.59)
  Bottom Layer w6: v1(3110.24,3275.59) 3178.31,3275.59 3212.5,3309.78 3212.5,3408.14 3367.45,3563.09 3722.35,3563.09 R67.2@3726.38,3559.06 R304.2@3775.59,3559.06
NetJ1_40: J1.40 R22.2 | length 1563.9
  Top Layer w6: J1.40@3021.65,3263.78 3074.8,3263.78 3076.02,3265 v1(3076.02,3267.72)
  Bottom Layer w20: R22.2@1751.97,3194.88 1751.97,3189.16 1924.83,3189.16 1943.56,3207.88 2074.02,3207.88 2279.53,3413.39 2708.66,3413.39 2803.93,3318.12 3063.79,3318.12 3077.17,3304.74 3077.17,3268.87 v1(3076.02,3267.72)
NetJ1_78: J1.78
NetJ1_79: J1.79
NetJ1_80: J1.80
NetJ1_81: J1.81
NetJ1_82: J1.82 Q5.1 | length 835.6
  Top Layer w6: v1(2992.13,2921.26) 2992.13,2925.2 3000,2933.07 J1.82@3021.65,2933.07
  Signal Layer 1 w6: v1(2952.76,3669.29) 2965.75,3656.3 2965.75,3236.25 2996.15,3205.85 2996.15,2925.29 v1(2992.13,2921.26)
  Bottom Layer w6: Q5.1@2948.82,3698.82 2948.82,3673.23 v1(2952.76,3669.29)
NetJ1_85: J1.85
NetJ1_86: J1.86
NetJ1_87: J1.87
NetJ1_88: J1.88
NetJ1_92: J1.92
NetJ1_94: J1.94
NetJ2_2: J2.2 U21.4 | length 1242.4
  Top Layer w4: v1(2086.61,2555.12) 2098.43,2566.93 2133.86,2566.93 2148.03,2581.1 J2.2@2161.02,2581.1
  Signal Layer 1 w4: v1(1937.01,3582.68) 2000,3582.68 2076.26,3506.42 2076.26,2569.41 2086.61,2559.06 v1(2086.61,2555.12)
  Bottom Layer w5.4: v1(1937.01,3582.68) 1944.88,3590.55 U21.4@1964.57,3590.55
NetJ2_3: J2.3 JP1.1 | length 686.8
  Top Layer w4: JP1.1@1576.38,2604.33 1594.09,2586.61 2029.47,2586.61 2060.09,2617.24 2144.8,2617.24 2176.77,2649.21 J2.3@2176.77,2702.36
NetJ2_4: J2.4 U20.1 U20.2 | length 1214
  Top Layer w4: v1(2106.3,2539.37) 2106.3,2551.18 2114.17,2559.06 2173.23,2559.06 2176.77,2562.6 J2.4@2176.77,2581.1
  Signal Layer 1 w4: v1(2069.51,3550.07) 2094.49,3525.1 2094.49,2574.8 2106.3,2562.99 v1(2106.3,2539.37)
  Bottom Layer w5.4: v1(2069.51,3550.07) 2087.72,3550.07 2098.43,3539.37 U20.2@2098.43,3515.75 U20.1@2124.02,3515.75
NetJ2_7: J2.7 R26.1 U9.14 | length 1412
  Top Layer w6: U9.14@1052.17,2627.95 1036.76,2627.95 1027.24,2618.43 R26.1@1027.24,2598.75 1051.19,2574.8 v1(1059.06,2574.8) ; v1(2204.72,2665.35) 2204.72,2677.17 2208.66,2681.1 2208.66,2701.97 J2.7@2208.27,2702.36
  Signal Layer 2 w6: v1(1059.06,2574.8) 1280.74,2574.8 1280.84,2574.9 1293.96,2574.9 1294.06,2574.8 1445,2574.8 1482.11,2537.7 2058.41,2537.7 2074.8,2521.31 v1(2155.17,2521.31)
  Signal Layer 1 w6: v1(2155.17,2521.31) 2155.17,2615.8 v1(2204.72,2665.35)
NetJ2_9: J2.9 U2.5 U10.14 | length 2435.1
  Top Layer w5.91: U10.14@1025.59,3553.15 1025.59,3521.65 1062.2,3485.05 1062.2,3469.3 1110.24,3421.26 1225.46,3421.26 1257.09,3389.64 1257.09,3368.43 1247.98,3359.33 1229.41,3359.33 1221.45,3351.38 1221.45,3330.83 1232.41,3319.88 1279.52,3319.88 1283.46,3323.82 1375,3323.82 1381.89,3330.71 1381.89,3342.51 ; v1(1401.57,3342.51) 1381.9,3342.51 ; U2.5@1402.56,3429.13 1381.89,3429.13 1377.95,3425.2 1377.95,3346.46 1381.9,3342.51 ; v1(2161.42,2791.34) 2224.02,2728.74 J2.9@2224.02,2702.36
  Signal Layer 2 w5.91: v1(1641.73,3069.93) 1641.73,2960.63 1811.02,2791.34 v1(2161.42,2791.34)
  Signal Layer 1 w5.91: v1(1401.57,3342.51) 1405.83,3342.51 1499.95,3248.39 1499.95,2847.79 1528.89,2818.85 1565.6,2818.85 1617.01,2870.26 1617.01,3045.2 v1(1641.73,3069.93)
NetJ2_14: J2.14 R167.2 | length 2904.9
  Top Layer w5.4: v1(2248.03,2547.24) 2255.51,2554.72 J2.14@2255.51,2581.1 ; R167.2@4171.26,3458.66 v1(4204.72,3458.66)
  Signal Layer 2 w5.4: v1(2256.52,3299.21) 2257.23,3299.21 2355.65,3397.64 2990.32,3397.64 3037.79,3445.11 3556.89,3445.11 3567.6,3455.83 3636.34,3455.83 3640.83,3460.31 3678.07,3460.31 3682.56,3455.83 3909.81,3455.83 3964.92,3510.95 4152.44,3510.95 v1(4204.72,3458.66)
  Signal Layer 1 w5.4: v1(2248.03,2547.24) 2277.76,2576.97 2277.76,3236.03 2277.95,3236.22 2277.95,3277.79 v1(2256.52,3299.21)